# Altium PCB Mother_board06.PcbDoc (part 1 of 2)
Units mm, origin at the board's own origin, x right, y up, seen from the top; angles counter-clockwise.
Board outline 169 x 150.57 mm, 2 copper layers (Top Layer, Bottom Layer), stack 1.57 mm thick; 90 components, 81 nets, 394 pads, 249 vias.
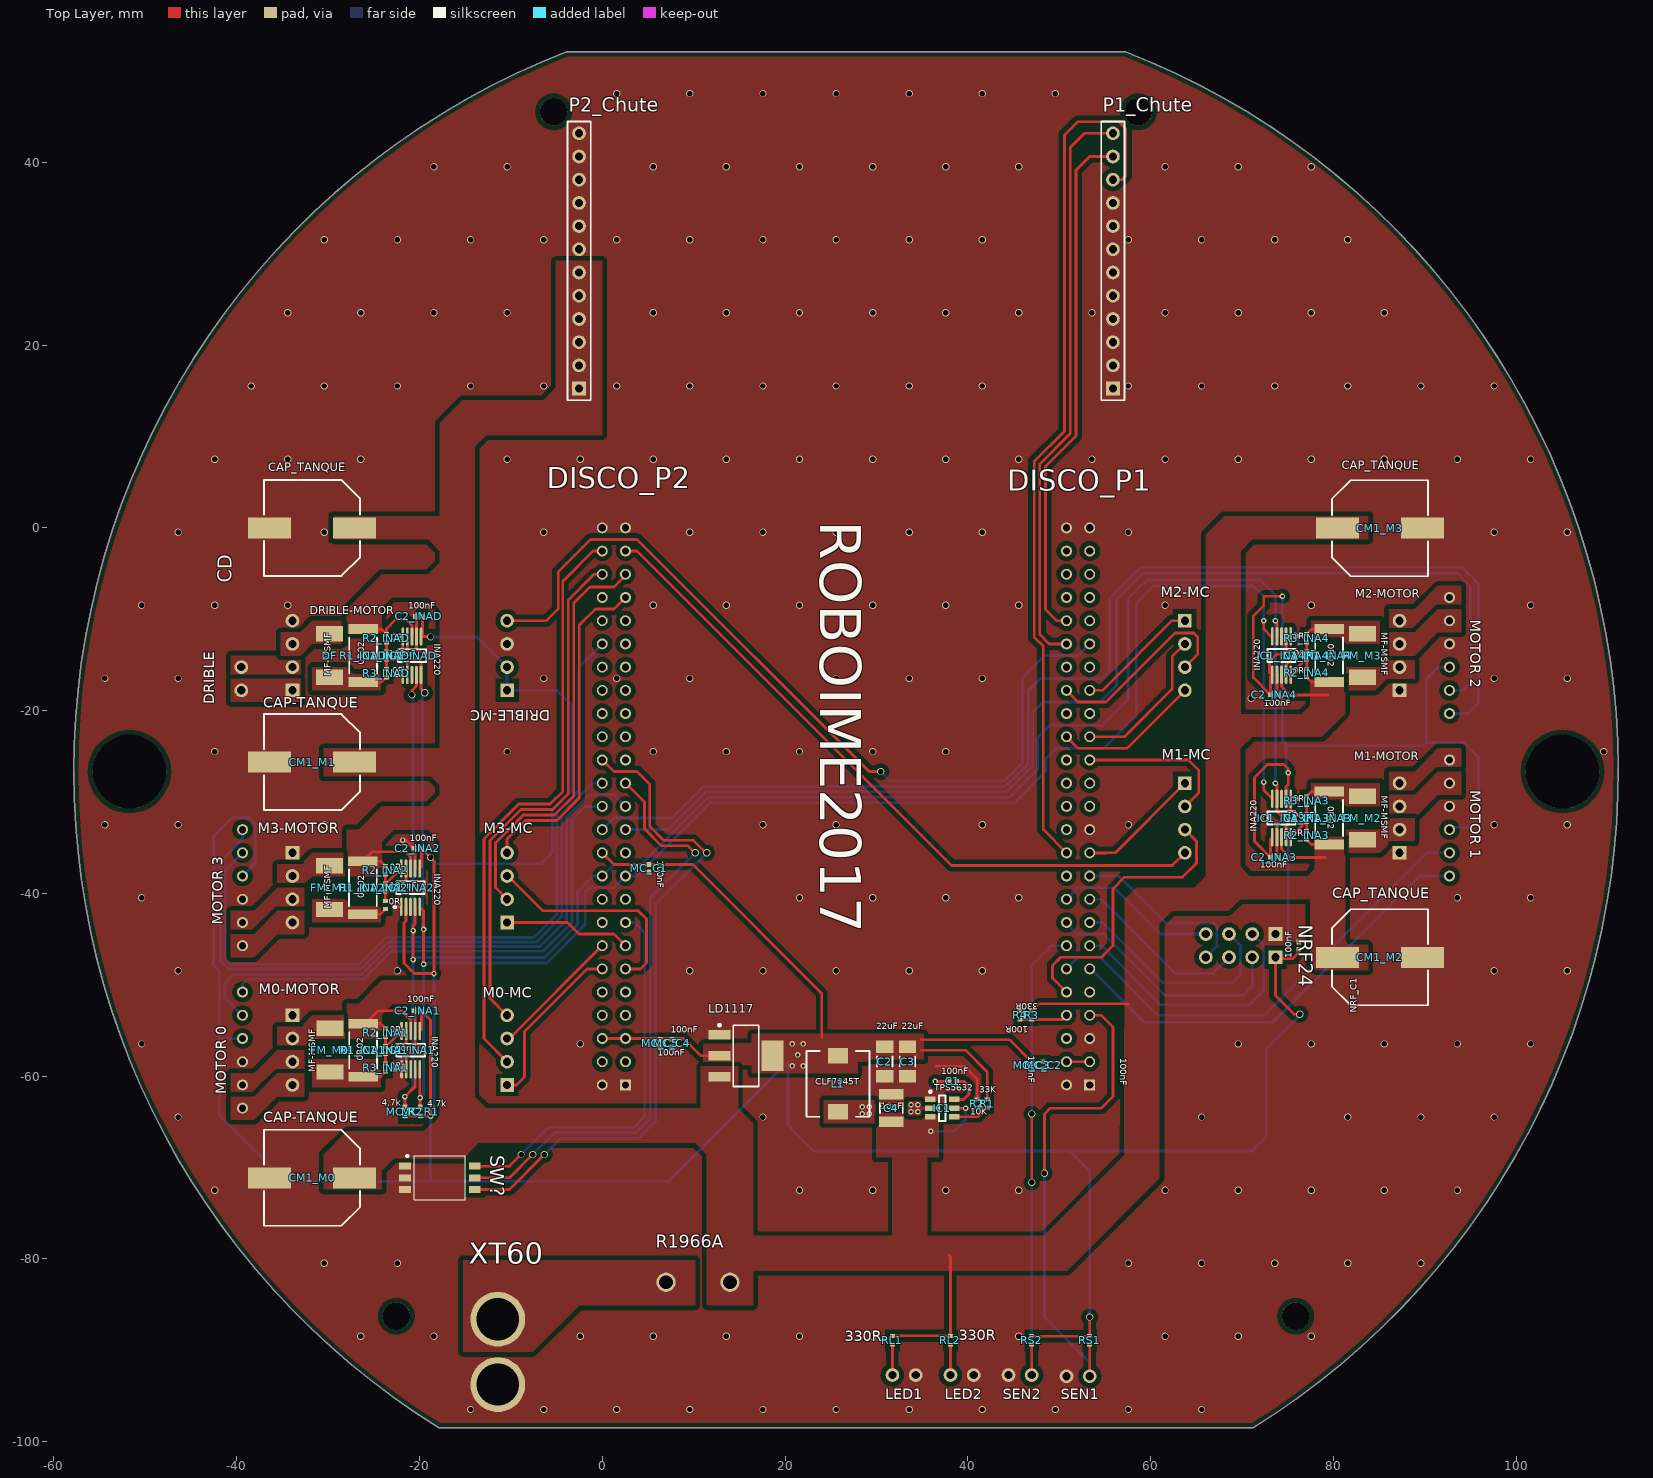
[diagram p0: Top Layer view]
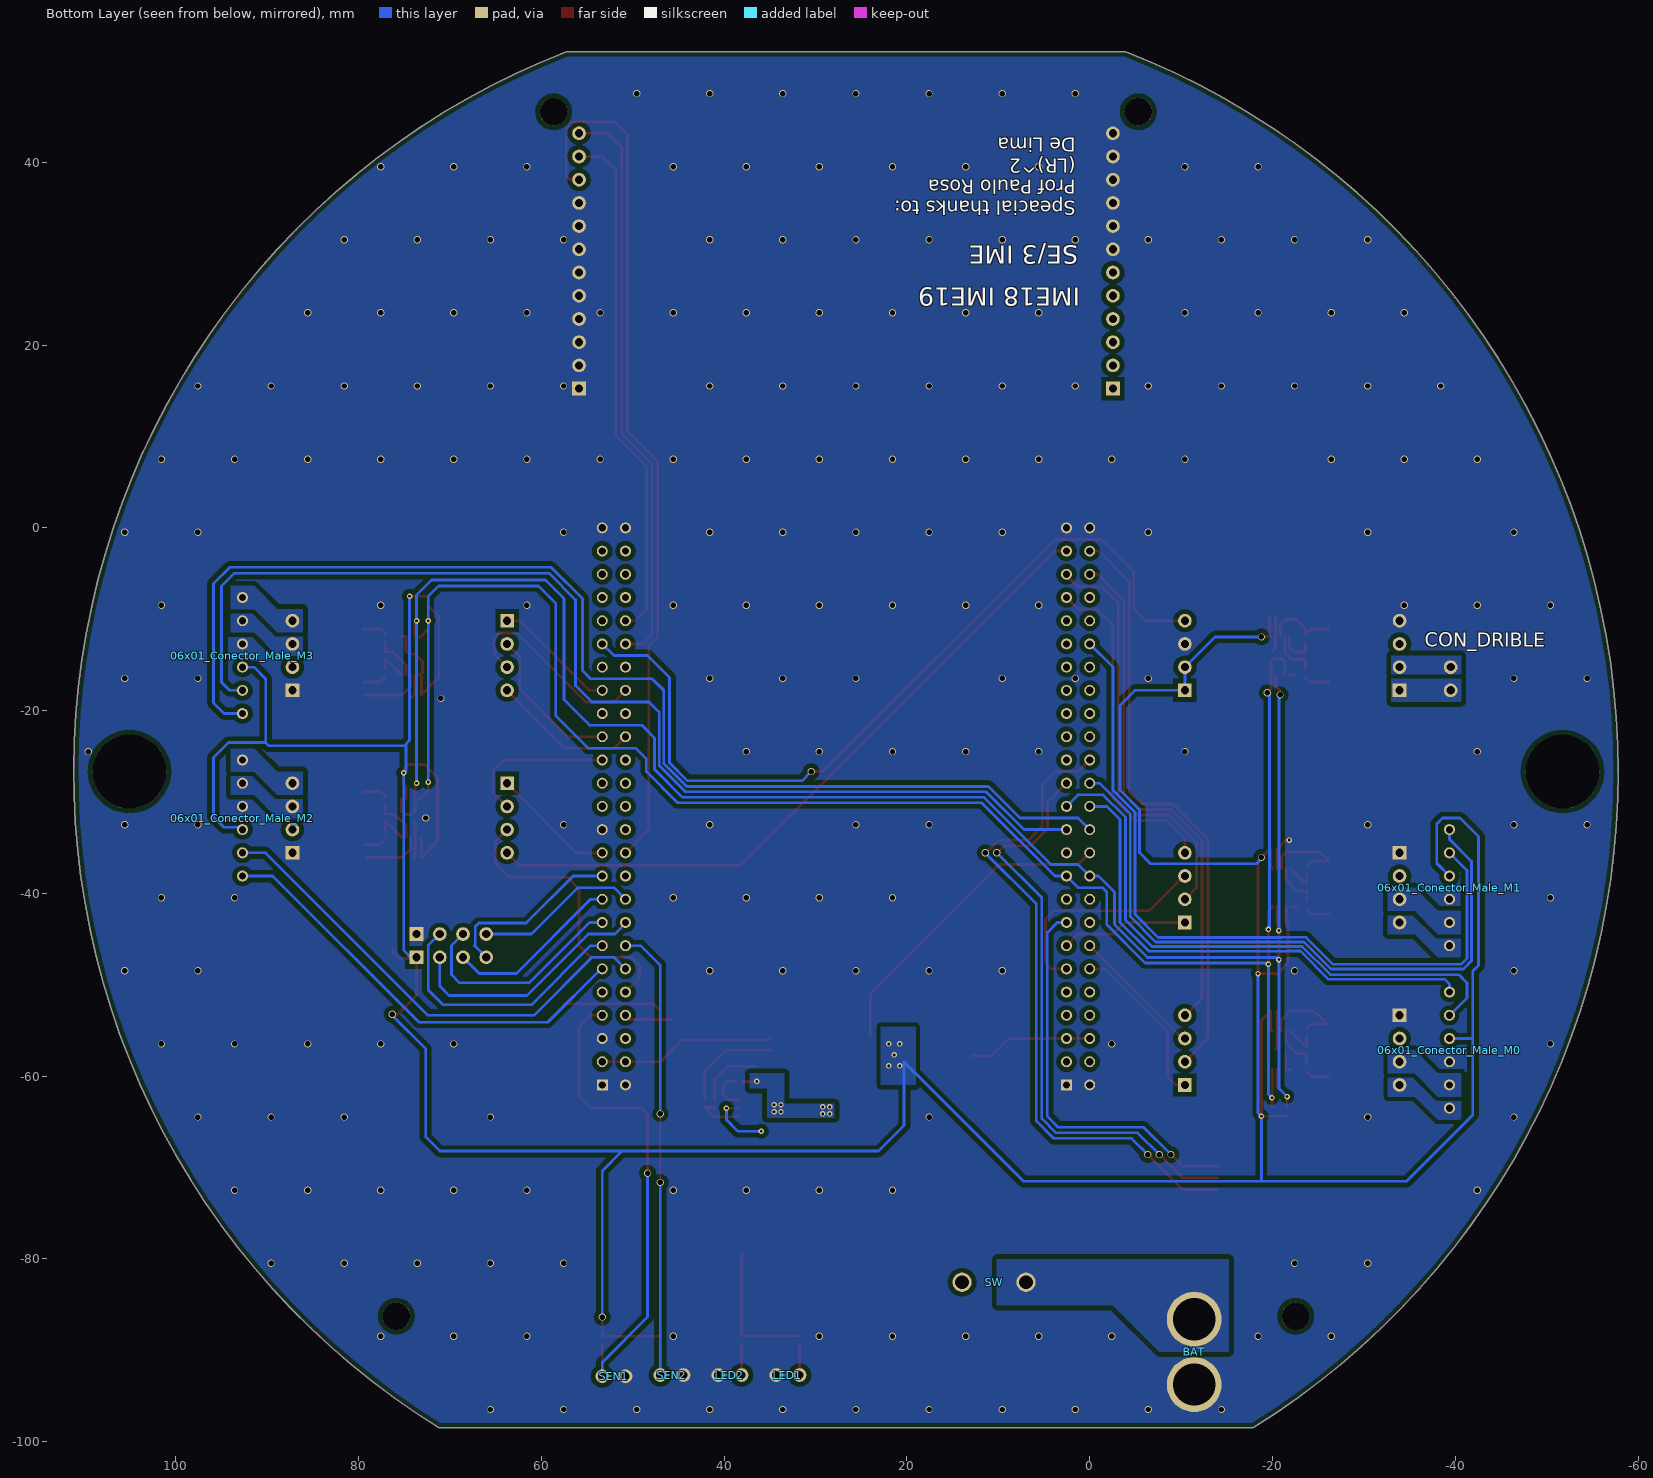
[diagram p1: Bottom Layer view, seen from below]
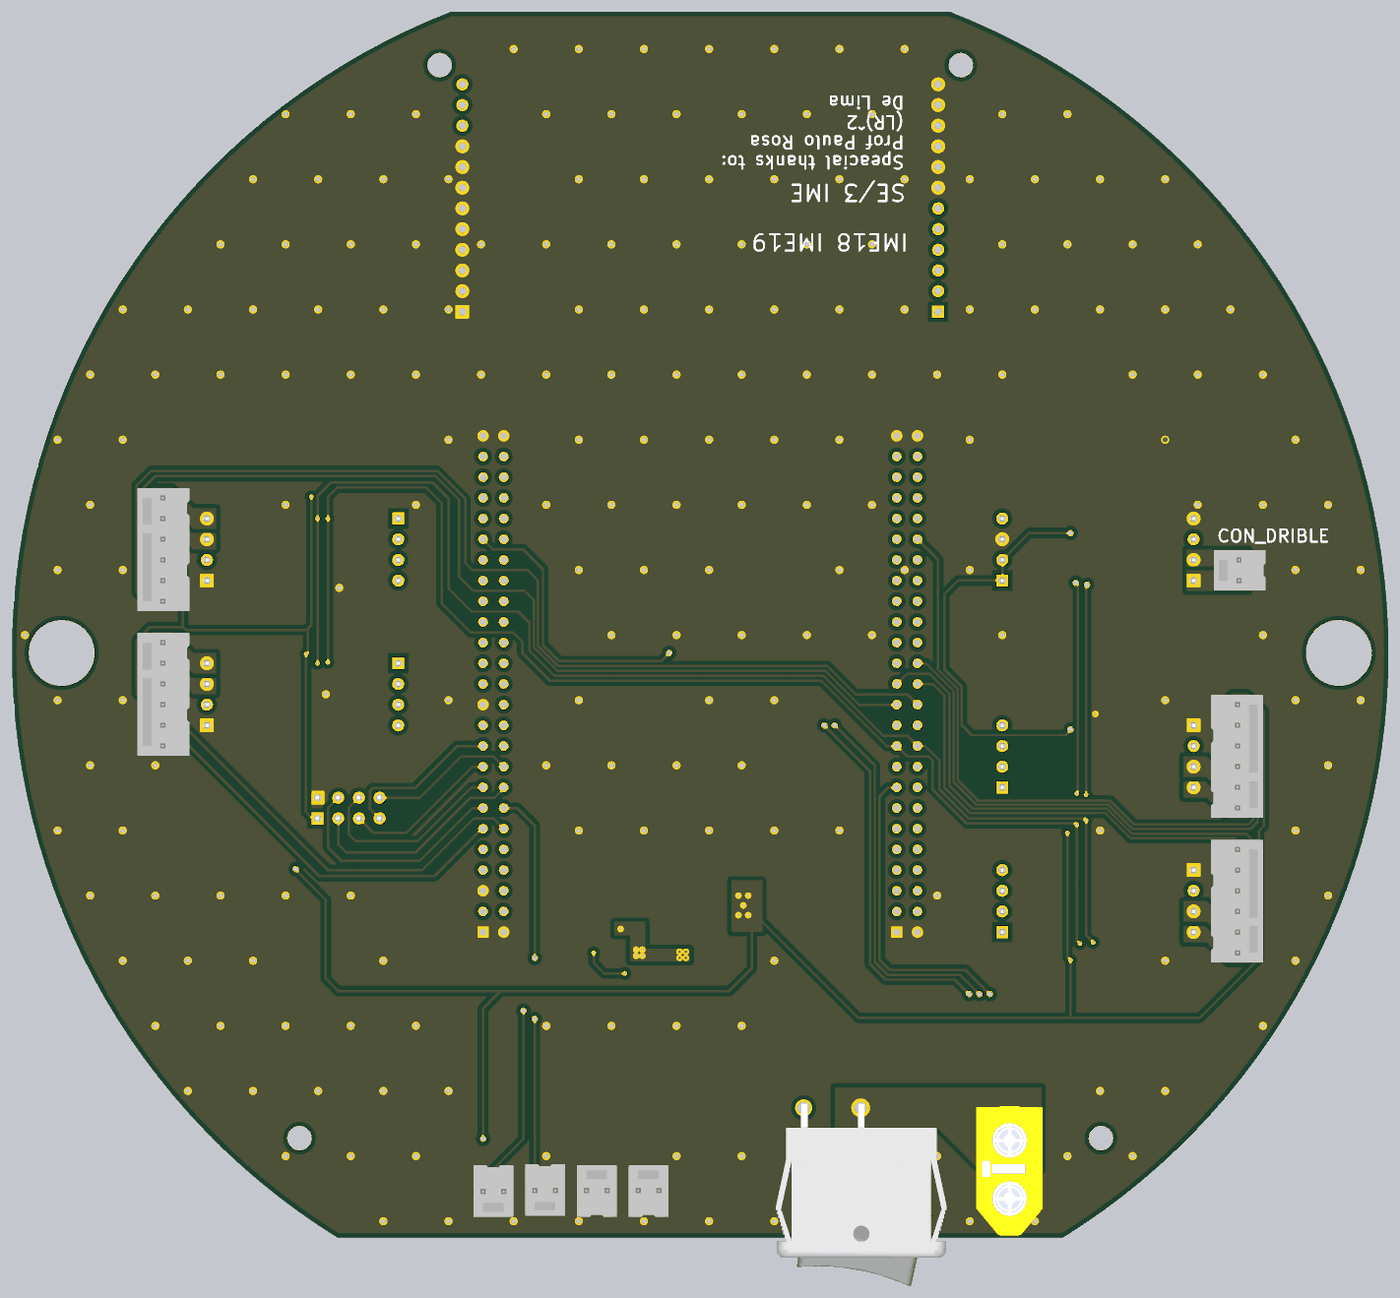
[diagram p3: 3D render of the assembled board from below, using the file's embedded part models]

## Layer stack, top to bottom
Top Solder: solder mask 0.01, Solder Resist, Dk 3.5
Top Layer: signal copper 0.035
Dielectric 1: dielectric 1.5, FR-4, Dk 4.8
Bottom Layer: signal copper 0.035
Bottom Solder: solder mask 0.01, Solder Resist, Dk 3.5

## Board outline
-3.933,52.094 -6.694,50.965 -9.413,49.739 -12.087,48.418 -14.713,47.003 -17.287,45.497 -19.807,43.9 -22.268,42.216 -24.669,40.446 -27.006,38.592 -29.276,36.657 -31.476,34.643 -33.604,32.553 -35.656,30.389 -37.631,28.153 -39.526,25.85 -41.338,23.481 -43.066,21.05 -44.707,18.559 -46.258,16.011 -47.719,13.411 -49.088,10.761 -50.361,8.064 -51.539,5.323 -52.62,2.543 -53.601,-0.274 -54.483,-3.123 -55.263,-6.002 -55.942,-8.906 -56.517,-11.833 -56.989,-14.778 -57.357,-17.738 -57.62,-20.709 -57.777,-23.688 -57.83,-26.67 -57.778,-29.629 -57.623,-32.584 -57.364,-35.531 -57.002,-38.468 -56.538,-41.39 -55.972,-44.295 -55.304,-47.178 -54.535,-50.035 -53.668,-52.864 -52.701,-55.661 -51.637,-58.422 -50.478,-61.144 -49.223,-63.824 -47.876,-66.459 -46.437,-69.045 -44.909,-71.578 -43.292,-74.057 -41.59,-76.477 -39.805,-78.837 -37.937,-81.132 -35.991,-83.361 -33.967,-85.52 -31.87,-87.607 -29.7,-89.619 -27.462,-91.555 -25.157,-93.41 -22.788,-95.184 -20.359,-96.873 -17.872,-98.477 71.212,-98.477 73.71,-96.866 76.149,-95.169 78.527,-93.387 80.841,-91.522 83.088,-89.577 85.265,-87.554 87.37,-85.456 89.399,-83.285 91.351,-81.044 93.223,-78.736 95.013,-76.364 96.718,-73.93 98.337,-71.437 99.867,-68.89 101.306,-66.29 102.653,-63.641 103.906,-60.946 105.064,-58.209 106.124,-55.433 107.086,-52.621 107.949,-49.777 108.711,-46.905 109.372,-44.007 109.931,-41.088 110.386,-38.152 110.738,-35.201 110.986,-32.239 111.13,-29.271 111.169,-26.299 111.104,-23.328 110.934,-20.361 110.66,-17.402 110.282,-14.455 109.801,-11.522 109.217,-8.608 108.531,-5.717 107.743,-2.851 106.856,-0.015 105.869,2.788 104.784,5.555 103.603,8.282 102.326,10.966 100.956,13.603 99.494,16.19 97.941,18.724 96.301,21.202 94.575,23.621 92.764,25.978 90.872,28.27 88.9,30.493 86.852,32.646 84.729,34.726 82.534,36.729 80.27,38.654 77.94,40.499 75.546,42.26 73.092,43.936 70.581,45.525 68.015,47.024 65.398,48.433 62.733,49.748 60.024,50.969 57.273,52.094

## Design rules (kind name [scope] priority, off if disabled: settings)
Clearance Clearance_1 [All] p1: gap=0.3 ignorepadtopadclearanceinfootprint=FALSE except(0: Arc-Hole Track-Hole SMDPad-Hole THPad-Hole Via-Hole Fill-Hole Poly-Hole Region-Hole Text-Hole; 0.2: Track-Track Track-SMDPad SMDPad-SMDPad; 0.5: Arc-Poly Track-Poly SMDPad-Poly THPad-Poly Via-Poly Fill-Poly Poly-Poly Poly-Region Poly-Text)
HoleSize [All] p1: absolutevalues=TRUE maxlimit=10 minlimit=0.025 maxpercent=80.000 minpercent=20.000
MinimumSolderMaskSliver [All] p1 off: minsoldermaskwidth=0.2
PlaneConnect [All] p1: planeconnectstyle=Direct reliefexpansion=0.508 reliefentries=4 reliefconductorwidth=0.254 reliefairgap=0.254
PolygonConnect "Schematic Polygon Connect Style_3" [InComponent('C3')] p1: connectstyle=Direct reliefconductorwidth=0.254 reliefentries=4 polygonreliefangle="45 Angle" airgapwidth=0.254
PolygonConnect PolygonConnect_3 [InNet('GND')] p2: connectstyle=Direct reliefconductorwidth=0.254 reliefentries=4 polygonreliefangle="90 Angle" airgapwidth=0.254
PolygonConnect PolygonConnect_1 [InNetClass('DIRECT')] p3: connectstyle=Direct reliefconductorwidth=0.508 reliefentries=4 polygonreliefangle="90 Angle" airgapwidth=0.254
PolygonConnect PolygonConnect_2 [IsVia] p4: connectstyle=Direct reliefconductorwidth=0.254 reliefentries=4 polygonreliefangle="90 Angle" airgapwidth=0.254
PolygonConnect "Schematic Polygon Connect Style_1" [InComponent('C2')] p5: connectstyle=Direct reliefconductorwidth=0.254 reliefentries=4 polygonreliefangle="45 Angle" airgapwidth=0.254
PolygonConnect "Schematic Polygon Connect Style_2" [InComponent('L1')] p6: connectstyle=Direct reliefconductorwidth=0.254 reliefentries=4 polygonreliefangle="45 Angle" airgapwidth=0.254
PolygonConnect [All] p7: connectstyle=Direct reliefconductorwidth=0.3 reliefentries=4 polygonreliefangle="90 Angle" airgapwidth=0.254
RoutingVias [All] p1: holewidth=0.7 width=1 viastyle="Through Hole" minholewidth=0.5 minwidth=0.7 maxholewidth=6 maxwidth=6
SilkToSilkClearance [All] p1 off: silktosilkclearance=0.254
SilkToSolderMaskClearance [IsPad] p1 off: minsilkscreentomaskgap=0.254 clearancetoexposedcopper=TRUE
SolderMaskExpansion [All] p1: expansion=0.102
Width [All] p1: maxlimit=1.016 minlimit=0.254 preferedwidth=0.3
25 further rules are at their usual default settings.

## Classes and differential pairs
channel class INA220: INA1 INA2 INA3 INA4
component class INA2: 0R C1_INA2 C2_INA2 IC1_INA2 R1_INA2 R2_INA2 R3_INA2
component class INA3: C1_INA3 C2_INA3 IC1_INA3 R1_INA3 R2_INA3 R3_INA3
component class INA4: C1_INA4 C2_INA4 IC1_INA4 R1_INA4 R2_INA4 R3_INA4
component class INA1: C1_INA1 C2_INA1 IC1_INA1 R1_INA1 R2_INA1 R3_INA1
component class POWER: BAT C1 C2 C3 C4 IC1 IC? L1 LD1117 R1 R2 R3 R4 SW
net class DIRECT: DA DB MA_M0 MA_M1 MA_M2 MA_M3 MB_M0 MB_M1 MB_M2 MB_M3 NetC1_2 NetC1_M0_2 NetC1_M1_2 NetC1_M2_2 NetC1_M3_2 NetCON_DM_1 NetDF_2 NetFM_M0_2 NetFM_M1_2 NetFM_M2_2 NetFM_M3_2 "V+ BAT_INA1"
component class M0: 06x01_Conector_Male_M0 C1_M0 C3_M0 CM1_M0 FM_M0 M0-MC M0-MOTOR
component class M1: 06x01_Conector_Male_M1 C1_M1 C3_M1 CM1_M1 FM_M1 M3-MC M3-MOTOR
component class M2: 06x01_Conector_Male_M2 C1_M2 C3_M2 CM1_M2 FM_M2 M1-MC M1-MOTOR
component class M3: 06x01_Conector_Male_M3 C1_M3 C3_M3 CM1_M3 FM_M3 M2-MC M2-MOTOR M3-MOTOR
component class Mother_board1: CD CON_DM CON_DMc CON_DRIBLE DF DISCO_P1 DISCO_P2 DRIBLE-MC DRIBLE-MOTOR LED1 LED2 MC_C1 MC_C2 MC_C3 MC_C4 MC_C5 MC_R1 MC_R2 NRF24 NRF_C1 P1_Chute P2_Chute RL1 RL2 RS1 RS2 SEN1 SEN2 SENSOR1 SENSOR2 SW?
channel class MOTORES: M0 M1 M2 M3
component class INAD: C1_INAD C2_INAD IC1_INAD R1_INAD R2_INAD R3_INAD

## Components (designator, comment, footprint, x,y, rotation, side; value= is the part's Value field where it differs from the comment)
0R "0R" 0402-RES-HD -23.742,-41.274 r270 top (schematic designator R3)
06x01_Conector_Male_M0 "MOTOR 0" 06x01_Conector_Male -39.497,-57.15 r90 bottom (schematic designator 06x01_Conector_Male)
06x01_Conector_Male_M1 "MOTOR 3" 06x01_Conector_Male -39.497,-39.37 r90 bottom (schematic designator 06x01_Conector_Male)
06x01_Conector_Male_M2 "MOTOR 1" 06x01_Conector_Male 92.837,-31.75 r270 bottom (schematic designator 06x01_Conector_Male)
06x01_Conector_Male_M3 "MOTOR 2" 06x01_Conector_Male 92.837,-13.97 r270 bottom (schematic designator 06x01_Conector_Male)
BAT "XT60" BATTERY_CONECTO-PCB -11.43,-90.17 r270 bottom
C1 "100nF" 0402-CAP 38.354,-60.579 r180 top
C1_INA1 "100nF" 0402-CAP -23.717,-57.15 r270 top (schematic designator C1)
C1_INA2 "100nF" 0402-CAP -23.742,-39.37 r270 top (schematic designator C1)
C1_INA3 "100nF" 0402-CAP 77.082,-31.75 r90 top (schematic designator C1)
C1_INA4 "100nF" 0402-CAP 77.082,-13.97 r90 top (schematic designator C1)
C1_INAD "100nF" 0402-CAP -23.622,-13.99 r270 top (schematic designator C1)
C2 "22uF" 1206-CAP 30.897,-58.396 r90 top
C2_INA1 "100nF" 0402-CAP -20.193,-52.846 r180 top (schematic designator C2)
C2_INA2 "100nF" 0402-CAP -20.193,-35.066 r180 top (schematic designator C2)
C2_INA3 "100nF" 0402-CAP 73.533,-36.054 r0 top (schematic designator C2)
C2_INA4 "100nF" 0402-CAP 73.533,-18.274 r0 top (schematic designator C2)
C2_INAD "100nF" 0402-CAP -20.066,-9.687 r180 top (schematic designator C2)
C3 "22uF" 1206-CAP 33.401,-58.396 r90 top
C4 "10uF" 1210-CAP 31.623,-63.5 r270 top
CD "CAP_TANQUE" EEE-FK1C681GP -31.75,0 r180 top
CM1_M0 "CAP-TANQUE" EEE-FK1C681GP -31.75,-71.12 r180 top (schematic designator CM1)
CM1_M1 "CAP-TANQUE" EEE-FK1C681GP -31.75,-25.633 r180 top (schematic designator CM1)
CM1_M2 "CAP_TANQUE" EEE-FK1C681GP 85.09,-46.99 r0 top (schematic designator CM1)
CM1_M3 "CAP_TANQUE" EEE-FK1C681GP 85.09,-0.04 r0 top (schematic designator CM1)
CON_DRIBLE "DRIBLE" 02x01_Conector_Male -39.497,-16.51 r90 bottom
DF "MF-MSMF" RESC4632X16N -29.845,-13.97 r270 top
DISCO_P1 "SFH11-PBPC-D25-ST-BK" 25x02_Conector_Female 52.07,-30.48 r90 top
DISCO_P2 "SFH11-PBPC-D25-ST-BK" 25x02_Conector_Female 1.27,-30.48 r90 top
DRIBLE-MC "PPPC041LFBN-RC" "04x01_Conector_Female - duplicate" -10.414,-13.97 r270 top (schematic designator CON_DMc)
DRIBLE-MOTOR "PPPC041LFBN-RC" "04x01_Conector_Female - duplicate" -33.909,-13.97 r270 top (schematic designator CON_DM)
FM_M0 "MF-MSMF" RESC4632X16N -29.82,-57.15 r270 top (schematic designator FM)
FM_M1 "MF-MSMF" RESC4632X16N -29.845,-39.37 r270 top (schematic designator FM)
FM_M2 "MF-MSMF" RESC4632X16N 83.185,-31.75 r90 top (schematic designator FM)
FM_M3 "MF-MSMF" RESC4632X16N 83.185,-13.97 r90 top (schematic designator FM)
IC1 "TPS5632" SOT95P280X110-6N 37.211,-63.5 r0 top
IC1_INA1 "INA220" TSSOP10 -20.963,-57.15 r90 top (schematic designator IC1)
IC1_INA2 "INA220" TSSOP10 -20.987,-39.37 r90 top (schematic designator IC1)
IC1_INA3 "INA220" TSSOP10 74.327,-31.75 r270 top (schematic designator IC1)
IC1_INA4 "INA220" TSSOP10 74.327,-13.97 r270 top (schematic designator IC1)
IC1_INAD "INA220" TSSOP10 -20.828,-13.991 r90 top (schematic designator IC1)
L1 "CLF7045T" CLF7045T 25.781,-60.835 r180 top
LD1117 "LD1117S33CTR" SOT-223_N 15.727,-57.771 r0 top (schematic designator IC?)
LED1 "0022112022" 02x01_Conector_Male 33.02,-92.71 r180 bottom
LED2 "0022112022" 02x01_Conector_Male 39.37,-92.71 r180 bottom
M0-MC "PPPC041LFBN-RC" 04x01_Conector_Female -10.414,-57.15 r270 top (schematic designator C3)
M0-MOTOR "PPPC041LFBN-RC" 04x01_Conector_Female -33.909,-57.15 r90 top (schematic designator C1)
M1-MC "PPPC041LFBN-RC" 04x01_Conector_Female 63.754,-31.75 r90 top (schematic designator C3)
M1-MOTOR "PPPC041LFBN-RC" 04x01_Conector_Female 87.249,-31.75 r270 top (schematic designator C1)
M2-MC "PPPC041LFBN-RC" 04x01_Conector_Female 63.754,-13.97 r90 top (schematic designator C3)
M2-MOTOR "PPPC041LFBN-RC" 04x01_Conector_Female 87.249,-13.97 r270 top (schematic designator C1)
M3-MC "PPPC041LFBN-RC" 04x01_Conector_Female -10.414,-39.37 r270 top (schematic designator C3)
M3-MOTOR "PPPC041LFBN-RC" 04x01_Conector_Female -33.909,-39.37 r90 top (schematic designator C1)
MC_C1 "100nF" 0402-CAP 5.08,-37.23 r90 top
MC_C2 "100nF" 0402-CAP 48.26,-58.82 r90 top
MC_C3 "100nF" 0402-CAP 46.99,-58.82 r270 top
MC_C4 "100nF" 0402-CAP 7.62,-56.38 r90 top
MC_C5 "100nF" 0402-CAP 6.35,-56.38 r90 top
MC_R1 "4,7k" 0402 -19.939,-63.881 r270 top
MC_R2 "4,7k" 0402 -21.59,-63.881 r270 top
NRF24 "PPPC042LFBN-RC" 04x02_Conector_Female 69.85,-45.72 r0 top (schematic designator 04x02_Conector_Female)
NRF_C1 "100nF" 0402-CAP 76.2,-45.72 r90 top
P1_Chute "Header 12" HDR1X12 55.88,15.24 r90 top
P2_Chute "Header 12" HDR1X12 -2.54,15.24 r90 top
R1 "33K" 0402-RES-HD 42.125,-62.992 r90 top
R1_INA1 "0R02" 2512-RES-HD -26.171,-57.15 r90 top (schematic designator R1)
R1_INA2 "0R02" 2512-RES-HD -26.196,-39.37 r90 top (schematic designator R1)
R1_INA3 "0R02" 2512-RES-HD 79.536,-31.75 r270 top (schematic designator R1)
R1_INA4 "0R02" 2512-RES-HD 79.536,-13.97 r270 top (schematic designator R1)
R1_INAD "0R02" 2512-RES-HD -26.162,-13.97 r90 top (schematic designator R1)
R2 "10K" 0402-RES-HD 41.021,-62.992 r270 top
R2_INA1 "0R" 0402-RES-HD -23.717,-55.246 r90 top (schematic designator R2)
R2_INA2 "0R" 0402-RES-HD -23.742,-37.466 r90 top (schematic designator R2)
R2_INA3 "0R" 0402-RES-HD 77.082,-33.655 r270 top (schematic designator R2)
R2_INA4 "0R" 0402-RES-HD 77.082,-15.875 r270 top (schematic designator R2)
R2_INAD "0R" 0402-RES-HD -23.622,-12.086 r90 top (schematic designator R2)
R3 "330R" 0402-RES-HD 46.99,-53.34 r90 top
R3_INA1 "0R" 0402-RES-HD -23.717,-59.054 r270 top (schematic designator R3)
R3_INA3 "0R" 0402-RES-HD 77.082,-29.845 r90 top (schematic designator R3)
R3_INA4 "0R" 0402-RES-HD 77.082,-12.066 r90 top (schematic designator R3)
R3_INAD "0R" 0402-RES-HD -23.622,-15.895 r270 top (schematic designator R3)
R4 "100R" 0402-RES-HD 45.72,-53.34 r270 top
RL1 "330R" 0402-RES-HD 31.75,-88.9 r270 top
RL2 "330R" 0402-RES-HD 38.1,-88.9 r270 top
RS1 "330R" 0402-RES-HD 53.34,-88.9 r90 top
RS2 "330R" 0402-RES-HD 46.99,-88.9 r90 top
SEN1 "0022112022" 02x01_Conector_Male 52.07,-92.837 r0 bottom (schematic designator SENSOR1)
SEN2 "0022112022" 02x01_Conector_Male 45.72,-92.71 r0 bottom (schematic designator SENSOR2)
SW "R1966A" R1966AB-PCB 7.087,-93.091 r90 bottom
SW? "416131160803" 416131160803 -17.78,-71.12 r270 top

## Footprints (in the part's own frame and the unit in brackets; to place one, negate y for a bottom-side part, rotate by r counter-clockwise, add the part's x,y. Pads: shape width x height; smd on the part's side, far side on the other; paste and mask are expansions set on the pad)
02x01_Conector_Male [mm] "0022112022"
  round 1.5 hole 0.9: 1(-1.27,0) 2(1.27,0)
  body extent -2.46,-3.25 2.46,3.1, height 3.14
04x01_Conector_Female [mm] "PPPC041LFBN-RC"
  round 1.5 hole 0.9: 0(-3.81,0) 1(-1.27,0) 2(1.27,0)
  rect 1.5x1.5 hole 0.9: 3(3.81,0)
  body extent -5.33,-1.27 5.33,1.27, height 8.5
"04x01_Conector_Female - duplicate" [mm] "PPPC041LFBN-RC"
  round 1.5 hole 0.9: 0(-3.81,0) 1(-1.27,0) 2(1.27,0)
  rect 1.5x1.5 hole 0.9: 3(3.81,0)
  body extent -5.33,-1.27 5.33,1.27, height 8.5
04x02_Conector_Female [mm] "PPPC042LFBN-RC"
  round 1.5 hole 0.9: 0(-3.81,1.27) 1(-1.27,1.27) 2(1.27,1.27) 4(-3.81,-1.27) 5(-1.27,-1.27) 6(1.27,-1.27)
  rect 1.5x1.5 hole 0.9: 3(3.81,1.27) 7(3.81,-1.27)
  body extent -5.3,-2.55 5.36,2.53, height 8.52
06x01_Conector_Male [mil] "0022112062"
  round 47.25 hole 31.5: 1(250,5) 2(150,5) 3(50,5) 4(-50,5) 5(-150,5) 6(-250,5)
  body extent -297,-115 297,135, height 124
25x02_Conector_Female [mil] "SFH11-PBPC-D25-ST-BK"
  rect 47.25x47.25 hole 31.5: 1(-1200,-50)
  round 47.25 hole 31.5: 2(-1200,50) 3(-1100,-50) 4(-1100,50) 5(-1000,-50) 6(-1000,50) 7(-900,-50) 8(-900,50) 9(-800,-50) 10(-800,50) 11(-700,-50) 12(-700,50) 13(-600,-50) 14(-600,50) 15(-500,-50) 16(-500,50) 17(-400,-50) 18(-400,50) 19(-300,-50) 20(-300,50) 21(-200,-50) 22(-200,50) 23(-100,-50) 24(-100,50) 25(0,-50) 26(0,50) 27(100,-50) 28(100,50) 29(200,-50) 30(200,50) 31(300,-50) 32(300,50) 33(400,-50) 34(400,50) 35(500,-50) 36(500,50) 37(600,-50) 38(600,50) 39(700,-50) 40(700,50) 41(800,-50) 42(800,50) 43(900,-50) 44(900,50) 45(1000,-50) 46(1000,50) 47(1100,-50) 48(1100,50) 49(1200,-50) 50(1200,50)
  body extent -1350,-121 1350,115, height 333
0402 [mm] "Chip Capacitor, Body 1.0x0.5mm, IPC High Density"
  rect 0.6x0.5 smd: 1(-0.5,0) 2(0.5,0)
  body extent -0.55,-0.3 0.55,0.3, height 1.3
0402-CAP [mm] "Chip Capacitor, Body 1.0x0.5mm, Height 0.6mm, IPC Medium Density"
  rect 0.52x0.52 smd: 1(-0.4,0) 2(0.4,0)
  body extent -0.55,-0.3 0.55,0.3, height 0.33
0402-RES-HD [mm] "Chip Resistor, Body 1.0x0.5mm, IPC High Density"
  rect 0.45x0.55 smd: 1(-0.45,0) 2(0.45,0)
  body extent -0.52,-0.27 0.53,0.28, height 0.4
1206-CAP [mm] "Chip Capacitor, Body 3.2x1.6mm, Height 1.7mm, IPC Low Density"
  rect 1.35x1.9 smd: 1(-1.6,0) 2(1.6,0)
  silkscreen extent -0.55,-0.85 0.55,0.85, body extent -1.7,-0.9 1.7,0.9, height 1.7
1210-CAP [mm]
  rect 1.15x2.7 smd: 1(-1.5,0) 2(1.5,0)
  silkscreen extent -0.55,-1.25 0.55,1.25, body extent -1.7,-1.4 1.7,1.4, height 2.8
2512-RES-HD [mm] "Chip Resistor, Body 6.4x3.2mm, IPC High Density"
  rect 1.05x3.25 smd: 1(-2.9,0) 2(2.9,0)
  silkscreen extent -2,-1.52 2,1.53, body extent -3.25,-1.7 3.25,1.7, height 0.75
416131160803 [mm] "03p, 1.27mm Pitch, Horizontal, HP Type, SMT, flat Actuator, black, with Tape, T&R"
  rect 0.76x1.27 smd: 1(-1.27,-3.81) 2(0,-3.81) 3(1.27,-3.81) 4(1.27,3.81) 5(0,3.81) 6(-1.27,3.81)
  silkscreen extent -2.47,-3.66 2.42,2.8, body extent -2.42,-4 2.43,4, height 2.06
BATTERY_CONECTO-PCB [mm]
  round 6 hole 4.62: 0(-3.58,0) 1(3.58,0)
  body extent -7.82,-4.19 8.08,3.96, height 16.4
CLF7045T [mm]
  rect 2.2x1.7 smd: 1(0,3.05) 2(0,-3.05)
  silkscreen extent -3.45,-3.6 3.45,3.6, body extent -3.5,-3.6 3.5,3.6, height 4.51
EEE-FK1C681GP [mm] "Aluminum Electrolytic Capacitor, Body 10,30x10,30x10,50mm, IPC Low Density"
  rect 4.7x2.3 smd: 1(-4.65,0) 2(4.65,0)
  silkscreen extent -5.25,-5.25 5.25,5.25, body extent -5.65,-5.21 5.65,5.09, height 10.41
HDR1X12 [mm] "Connector; Header; 12 Position"
  rect 1.5x1.5 hole 0.9: 1(0,0)
  round 1.5 hole 0.9: 2(2.54,0) 3(5.08,0) 4(7.62,0) 5(10.16,0) 6(12.7,0) 7(15.24,0) 8(17.78,0) 9(20.32,0) 10(22.86,0) 11(25.4,0) 12(27.94,0)
  silkscreen extent -1.27,-1.27 29.21,1.27
R1966AB-PCB [mm] "SWITCH ROCKER SPST 15A 125V"
  round 2.1 hole 1.5: 0(10.541,-0.117)
  round 2.1 hole 1.5 paste+0: 1(10.541,6.883)
  body extent -11.38,-10.67 11.12,10.28, height 15.6
RESC4632X16N [mm] "Chip Resistor, 2-Leads, Body 4,60x3,24mm, IPC Medium Density"
  rect 1.68x2.95 smd: 1(-2.39,0) 2(2.39,0)
  body extent -2.3,-1.62 2.3,1.62, height 1.15
SOT95P280X110-6N [mm] "SOT23, 6-Leads, Body 2,90x2,80mm, Pitch 0,95mm, IPC Medium Density"
  rect 1.15x0.6 smd: 1(-1.3,0.95) 2(-1.3,0) 3(-1.3,-0.95) 4(1.3,-0.95) 5(1.3,0) 6(1.3,0.95)
  silkscreen extent -1.42,-1.4 0.35,1.92, body extent -0.72,-1.37 0.72,1.38, height 1.1
SOT-223_N [mm] "SOT223, 4-Leads, Body 6.5x3.5mm, Pitch 2.3mm, Lead Span 7mm, IPC Medium Density"
  rect 2.4x1 smd: 1(-2.9,2.3) 2(-2.9,0) 3(-2.9,-2.3)
  rect 2.4x3.3 smd: 4(2.9,0)
  silkscreen extent -3.02,-3.35 1.4,3.47, body extent -1.85,-3.35 1.85,3.35, height 1.8
TSSOP10 [mm] "TSSOP, 10-Leads, Body 3x3mm, Pitch 0.5mm, IPC Low Density"
  oval 2x0.3 smd: 1(-2.1,1) 2(-2.1,0.5) 3(-2.1,0) 4(-2.1,-0.5) 5(-2.1,-1) 6(2.1,-1) 7(2.1,-0.5) 8(2.1,0) 9(2.1,0.5) 10(2.1,1)
  silkscreen extent -2.22,-1.55 0.7,1.82, body extent -1.55,-1.55 1.55,1.55, height 1.1

## Part data
0R R2_INA1 R2_INA2 R2_INA3 R2_INA4 R2_INAD R3_INA1 R3_INA3 R3_INA4 R3_INAD: library part R0402-0R-7, "RES 0.0 OHM 1/16W JUMP 0402 SMD"
06x01_Conector_Male_M0 06x01_Conector_Male_M1 06x01_Conector_Male_M2 06x01_Conector_Male_M3: library part 06x01_Conector_Male, "CONN HEADER 6POS .100 VERT GOLD"
BAT: library part BATTERY_CONNECTOR, "XT60 PRT-10474"
C1: library part CC0402-100nF-50v-A.3, "CAP CER 0.1UF 50V 10% X7R 0402"
C1_INA1 C1_INA2 C1_INA3 C1_INA4 C1_INAD C2_INA1 C2_INA2 C2_INA3 C2_INA4 C2_INAD MC_C1 MC_C2 MC_C3 MC_C4 MC_C5 NRF_C1: library part CC0402-100nF-A.12, "CAP CER 0.1UF 10V 20% X5R 0402"
C2 C3: library part CC1206-22uF-6.3V-1, "CAP CER 22UF 6.3V 20% X5R 1206"
C4: library part CC1210-10uF-6, "CAP CER 10UF 50V 20% X5R 1210"
CD CM1_M0 CM1_M1 CM1_M2 CM1_M3: library part "CAP AL 680UF/16V", "Aluminum Electrolytic Capacitors - SMD Al Lytic Cap SMT FK Series 105C"
CON_DRIBLE LED1 LED2 SEN1 SEN2: library part 02x01_Conector_Male, "CONN HEADER 2POS .100 VERT GOLD"
DF FM_M0 FM_M1 FM_M2 FM_M3: library part MF-MSMF250/16X-01.A.1, "PTC RESETTABLE .30A 30V 1812"
DISCO_P1 DISCO_P2: library part 25x02_Conector_Female, "50 Position Header Connector 0.100\" (2.54mm) Through Hole Gold"
DRIBLE-MC DRIBLE-MOTOR M0-MC M0-MOTOR M1-MC M1-MOTOR M2-MC M2-MOTOR M3-MC M3-MOTOR: library part 04x01_Conector_Female-SCH, "4 Position Header Connector 0.100\" (2.54mm) Through Hole Gold"
IC1: library part TPS563200DDCT-01.A.2, "IC REG BUCK ADJ 3A SYNC 6SOT"
IC1_INA1 IC1_INA2 IC1_INA3 IC1_INA4 IC1_INAD: library part INA220BIDGST-3, "IC MONITOR PWR/CURR BIDIR 10MSOP"
L1: library part CLF7045T-4R7N-H-2, "FIXED IND 4.7UH 4.1A 20 MOHM SMD"
LD1117: library part CMP-0244-00307-1, "Fixed Low Drop Positive Voltage Regulator, 3.3V, 4-Pin SOT-223, Tape and Reel"
MC_R1 MC_R2: library part Res1, "Resistor"
NRF24: library part 04x02_Conector_Female, "8 Position Header Connector 0.100\" (2.54mm) Through Hole Gold"
P1_Chute P2_Chute: "Header, 12-Pin"
R1: library part R0402-33K-7, "RES 33K OHM 1/10W 1% 0402 SMD"
R1_INA1 R1_INA2 R1_INA3 R1_INA4 R1_INAD: library part R2512-0R02-4, "RES .02 OHM 2W 1% 2512 SMD"
R2: library part R0402-10K-10, "RES 10K OHM 1/10W 1% 0402 SMD"
R3: library part R0402-10K-10, "RES 330R OHM 1/10W 1% 0402 SMD"
R4: library part R0402-33K-7, "RES 100R OHM 1/10W 1% 0402 SMD"
RL1 RL2 RS1 RS2: library part R0402-330R-7, "RES 330 OHM 1/10W 1% 0402 SMD"
SW: library part "Rocker Switch", "SWITCH ROCKER SPST 15A 125V"
SW?: library part CMP-1433-00003-1, "WS-DISV 1.27 mm small compact SMD Dip Switch with top tape"

## Free pads (board coordinates)
  round 8.083 hole 8.083: 1(-51.738,-26.67) 1(105.078,-26.67)
  round 3 hole 3: 1(-22.532,-86.268) 1(-5.33,45.529) 1(58.67,45.529) 1(75.872,-86.268)

## Via types
v1: diameter 0.8, hole 0.6, Top Layer to Bottom Layer, 218 vias
v2: diameter 0.6, hole 0.3, Top Layer to Bottom Layer, 31 vias

## Nets (pads, with @x,y where several pads share a name; then routed paths per layer and width w, separated by ;. In a path a pad name is that pad's centre, name@x,y a point inside that pad or via, vN(x,y) a via of type N, cw(c..) or ccw(c..) an arc to the next point about the centre after c; other vN are vias at no path point)
BAT_REF: DISCO_P1.8 R3.1 R4.2 | length 5.3
  Top Layer w0.3: R4.2@45.72,-53.79 R3.1@46.99,-53.79 50.35,-53.79 DISCO_P1.8@50.8,-53.34
CA: DISCO_P1.40 P1_Chute.12 | length 63.4
  Top Layer w0.3: DISCO_P1.40@50.8,-12.7 48.895,-12.7 47.879,-11.684 47.879,6.985 51.211,10.317 51.211,41.636 52.755,43.18 P1_Chute.12@55.88,43.18
CB: DISCO_P1.42 P1_Chute.11 | length 56.9
  Top Layer w0.3: DISCO_P1.42@50.8,-10.16 49.725,-10.16 48.499,-8.934 48.499,6.716 51.831,10.048 51.831,39.131 53.34,40.64 P1_Chute.11@55.88,40.64
CT: DISCO_P1.22 P1_Chute.10 | length 95.8
  Top Layer w0.3: DISCO_P1.22@50.8,-35.56 48.26,-33.02 48.26,-12.954 47.259,-11.953 47.259,7.242 50.591,10.574 50.591,42.971 52.07,44.45 56.515,44.45 57.277,43.688 57.277,38.481 56.896,38.1 P1_Chute.10@55.88,38.1
DA: CON_DRIBLE.2 DRIBLE-MOTOR.2
DAH: DISCO_P1.39 DRIBLE-MC.0 | length 92.4
  Top Layer w0.3: DRIBLE-MC.0@-10.414,-10.16 -6.096,-10.16 -4.826,-8.89 -4.826,-4.826 -1.27,-1.27 3.81,-1.27 29.21,-26.67 v1(30.48,-26.67)
  Bottom Layer w0.3: v1(30.48,-26.67) 31.496,-27.686 43.997,-27.686 45.982,-25.701 45.982,-16.375 48.387,-13.97 52.07,-13.97 DISCO_P1.39@53.34,-12.7
DB: CON_DRIBLE.1 DRIBLE-MOTOR.3
GND: 06x01_Conector_Male_M0.4 06x01_Conector_Male_M1.4 06x01_Conector_Male_M2.4 06x01_Conector_Male_M3.4 BAT.1 C2.1 C2_INA1.2 C2_INA2.2 C2_INA3.2 C2_INA4.2 C2_INAD.2 C3.1 C4.1 CD.2 CM1_M0.2 CM1_M1.2 CM1_M2.2 CM1_M3.2 DISCO_P1.1 DISCO_P1.2 DISCO_P1.5 DISCO_P1.23 DISCO_P1.49 DISCO_P1.50 DISCO_P2.1 DISCO_P2.2 DISCO_P2.49 DISCO_P2.50 DRIBLE-MC.1 DRIBLE-MOTOR.0 IC1.1 IC1_INA1.1 IC1_INA1.2 IC1_INA1.7 IC1_INA2.1 IC1_INA2.7 IC1_INA3.7 IC1_INA4.7 IC1_INAD.1 IC1_INAD.7 LD1117.1 LED1.1 LED2.1 M0-MOTOR.3 M1-MOTOR.3 M2-MOTOR.3 M3-MOTOR.3 MC_C1.1 MC_C2.1 MC_C3.2 MC_C4.1 MC_C5.1 NRF24.3 NRF_C1.2 P1_Chute.1 P1_Chute.2 P1_Chute.3 P1_Chute.4 P1_Chute.5 P1_Chute.6 P1_Chute.7 P1_Chute.8 P1_Chute.9 P2_Chute.7 P2_Chute.8 P2_Chute.9 P2_Chute.10 P2_Chute.11 P2_Chute.12 R2.1 R4.1 SEN1.1 SEN2.1 SW?.1 SW?.2 SW?.3 | length 29.7
  Top Layer w0.3: -22.733,-41.529 -22.674,-41.47 IC1_INA2.1@-21.987,-41.47 ; -22.479,-16.129 -22.441,-16.091 IC1_INAD.1@-21.828,-16.091 ; IC1_INA1.1@-21.963,-59.25 IC1_INA1.2@-21.463,-59.25 -21.463,-57.658 ; v2(-21.844,-34.163) -21.496,-34.163 C2_INA2.2@-20.593,-35.066 -20.487,-35.171 IC1_INA2.7@-20.487,-37.27 ; C2_INA1.2@-20.593,-52.846 -20.463,-52.976 IC1_INA1.7@-20.463,-55.05 -20.463,-56.88 -20.32,-57.023 ; C2_INAD.2@-20.466,-9.687 -20.328,-9.825 IC1_INAD.7@-20.328,-11.891 -20.328,-13.2 -20.066,-13.462 ; 36.576,-58.928 39.624,-58.928 41.021,-60.325 R2.1@41.021,-62.542 ; 73.827,-32.258 IC1_INA3.7@73.827,-33.85 73.827,-35.949 C2_INA3.2@73.933,-36.054 ; IC1_INA4.7@73.827,-16.07 73.827,-18.169 C2_INA4.2@73.933,-18.274 74.447,-18.788
  other v1: -14.419,-96.477 -6.419,-96.477 1.581,-96.477 9.581,-96.477 17.581,-96.477 25.581,-96.477 33.581,-96.477 41.581,-96.477 49.581,-96.477 57.581,-96.477 65.581,-96.477 -26.419,-88.477 -18.419,-88.477 -2.419,-88.477 5.581,-88.477 13.581,-88.477 21.581,-88.477 29.581,-88.477 45.581,-88.477 61.581,-88.477 69.581,-88.477 77.581,-88.477 -30.419,-80.477 -22.419,-80.477 57.581,-80.477 65.581,-80.477 73.581,-80.477 81.581,-80.477 89.581,-80.477 -42.419,-72.477 21.581,-72.477 29.581,-72.477 37.581,-72.477 45.581,-72.477 61.581,-72.477 69.581,-72.477 77.581,-72.477 85.581,-72.477 93.581,-72.477 -46.419,-64.477 -30.419,-64.477 17.581,-64.477 65.581,-64.477 81.581,-64.477 89.581,-64.477 97.581,-64.477 -50.419,-56.477 -2.419,-56.477 69.581,-56.477 77.581,-56.477 85.581,-56.477 93.581,-56.477 101.581,-56.477 -46.419,-48.477 -22.419,-48.477 9.581,-48.477 17.581,-48.477 25.581,-48.477 33.581,-48.477 41.581,-48.477 97.581,-48.477 105.581,-48.477 -50.419,-40.477 21.581,-40.477 29.581,-40.477 37.581,-40.477 45.581,-40.477 93.581,-40.477 101.581,-40.477 -54.419,-32.477 -46.419,-32.477 -30.419,-32.477 17.581,-32.477 25.581,-32.477 41.581,-32.477 57.581,-32.477 97.581,-32.477 105.581,-32.477 72.644,-31.75 -42.419,-24.477 -10.419,-24.477 5.581,-24.477 13.581,-24.477 21.581,-24.477 29.581,-24.477 37.581,-24.477 109.581,-24.477 70.993,-18.669 -54.419,-16.477 -46.419,-16.477 -6.419,-16.477 1.581,-16.477 9.581,-16.477 25.581,-16.477 33.581,-16.477 41.581,-16.477 97.581,-16.477 105.581,-16.477 -50.419,-8.477 -42.419,-8.477 -34.419,-8.477 5.581,-8.477 13.581,-8.477 21.581,-8.477 29.581,-8.477 37.581,-8.477 45.581,-8.477 61.581,-8.477 77.581,-8.477 101.581,-8.477 -46.419,-0.477 -30.419,-0.477 -6.419,-0.477 9.581,-0.477 17.581,-0.477 25.581,-0.477 33.581,-0.477 41.581,-0.477 57.581,-0.477 97.581,-0.477 105.581,-0.477 -42.419,7.523 -34.419,7.523 -26.419,7.523 -10.419,7.523 -2.419,7.523 5.581,7.523 13.581,7.523 21.581,7.523 29.581,7.523 37.581,7.523 45.581,7.523 53.581,7.523 61.581,7.523 69.581,7.523 77.581,7.523 85.581,7.523 93.581,7.523 101.581,7.523 -38.419,15.523 -30.419,15.523 -22.419,15.523 -14.419,15.523 -6.419,15.523 1.581,15.523 9.581,15.523 17.581,15.523 25.581,15.523 33.581,15.523 41.581,15.523 57.581,15.523 65.581,15.523 73.581,15.523 81.581,15.523 89.581,15.523 97.581,15.523 -34.419,23.523 -26.419,23.523 -18.419,23.523 -10.419,23.523 5.581,23.523 13.581,23.523 21.581,23.523 29.581,23.523 37.581,23.523 45.581,23.523 53.581,23.523 61.581,23.523 69.581,23.523 77.581,23.523 85.581,23.523 -30.419,31.523 -22.419,31.523 -14.419,31.523 -6.419,31.523 1.581,31.523 9.581,31.523 17.581,31.523 25.581,31.523 33.581,31.523 41.581,31.523 57.581,31.523 65.581,31.523 73.581,31.523 81.581,31.523 -18.419,39.523 -10.419,39.523 5.581,39.523 13.581,39.523 21.581,39.523 29.581,39.523 37.581,39.523 45.581,39.523 61.581,39.523 69.581,39.523 77.581,39.523 1.581,47.523 9.581,47.523 17.581,47.523 25.581,47.523 33.581,47.523 41.581,47.523 49.581,47.523
I2C.SCL: DISCO_P2.19 IC1_INA1.5 IC1_INA2.5 IC1_INA3.5 IC1_INA4.5 IC1_INAD.2 IC1_INAD.5 MC_R1.1 | length 202.8
  Top Layer w0.3: IC1_INAD.2@-21.328,-16.091 -21.328,-14.597 -21.082,-14.351 -20.066,-14.351 -19.828,-14.589 IC1_INAD.5@-19.828,-16.091 -19.828,-17.637 v1(-19.431,-18.034) ; IC1_INA2.5@-19.987,-41.47 -19.558,-41.899 -19.582,-41.923 -19.558,-41.947 v2(-19.558,-43.942) -19.558,-44.529 ; IC1_INA1.5@-19.963,-59.25 -19.963,-61.317 v2(-19.939,-62.357) MC_R1.1@-19.939,-63.381 ; v2(-19.558,-47.752) -19.558,-44.577 ; v2(72.39,-27.821) 72.39,-28.713 IC1_INA3.5@73.327,-29.65 ; v2(72.39,-10.16) 72.39,-11.079 73.249,-11.938 IC1_INA4.5@73.317,-11.87
  Bottom Layer w0.3: v2(-19.939,-62.357) -19.558,-61.976 v2(-19.558,-47.752) -19.558,-47.625 -19.545,-47.612 -6.054,-47.612 -1.862,-43.42 -1.862,-39.849 -1.383,-39.37 1.27,-39.37 DISCO_P2.19@2.54,-38.1 3.81,-38.1 11.819,-30.091 45.085,-30.091 48.514,-26.662 48.514,-25.273 49.657,-24.13 54.864,-24.13 58.42,-20.574 58.42,-8.255 60.325,-6.35 71.247,-6.35 72.39,-7.493 v2(72.39,-10.16) v2(72.39,-27.821) ; v2(-19.558,-43.942) -19.558,-43.882 -19.582,-43.906 -19.685,-43.803 -19.685,-18.288 v1(-19.431,-18.034)
I2C.SDA: DISCO_P2.20 IC1_INA1.4 IC1_INA2.4 IC1_INA3.1 IC1_INA3.4 IC1_INA4.4 IC1_INAD.4 MC_R2.1 | length 205.8
  Top Layer w0.3: MC_R2.1@-21.59,-63.381 v2(-21.59,-62.23) -20.463,-61.103 IC1_INA1.4@-20.463,-59.25 ; v1(-20.828,-18.288) -20.828,-17.78 -20.328,-17.28 IC1_INAD.4@-20.328,-16.091 ; v2(-20.701,-47.244) -20.828,-47.117 -20.701,-46.99 v2(-20.701,-44.069) -20.701,-43.561 -20.487,-43.347 IC1_INA2.4@-20.487,-41.47 ; v2(73.66,-27.94) 73.827,-28.107 IC1_INA3.4@73.827,-29.65 73.827,-31.028 74.168,-31.369 74.93,-31.369 75.327,-30.972 IC1_INA3.1@75.327,-29.65 ; v2(73.66,-10.16) 73.827,-10.327 IC1_INA4.4@73.827,-11.87
  Bottom Layer w0.3: v2(-21.59,-62.23) -20.701,-61.341 v2(-20.701,-47.244) -20.701,-47.117 -20.596,-47.012 -19.879,-47.012 -19.869,-47.002 -19.247,-47.002 -19.237,-47.012 -6.303,-47.012 -2.707,-43.416 -2.707,-39.846 -0.961,-38.1 DISCO_P2.20@0,-38.1 1.27,-36.83 4.231,-36.83 11.57,-29.491 44.55,-29.491 47.625,-26.416 47.625,-22.987 49.022,-21.59 54.737,-21.59 57.531,-18.796 57.531,-7.747 59.563,-5.715 72.009,-5.715 73.66,-7.366 v2(73.66,-10.16) v2(73.66,-27.94) ; v1(-20.828,-18.288) -20.955,-18.415 -20.701,-18.669 v2(-20.701,-44.069)
M0_ENCA: 06x01_Conector_Male_M0.2 DISCO_P2.25 | length 63.8
  Bottom Layer w0.3: 06x01_Conector_Male_M0.2@-39.37,-53.34 -41.275,-51.435 -41.275,-49.784 -40.386,-48.895 -26.334,-48.895 -23.251,-45.812 -21.433,-45.812 -21.426,-45.819 -6.807,-45.819 -3.907,-42.919 -3.907,-31.653 -1.464,-29.21 1.27,-29.21 DISCO_P2.25@2.54,-30.48
M0_ENCB: 06x01_Conector_Male_M0.1 DISCO_P2.26 | length 54.9
  Bottom Layer w0.3: 06x01_Conector_Male_M0.1@-39.37,-50.8 -39.37,-49.911 -38.862,-49.403 -26.135,-49.403 -23.044,-46.312 -21.64,-46.312 -21.633,-46.319 -6.458,-46.319 -3.307,-43.168 -3.307,-31.902 -1.885,-30.48 DISCO_P2.26@0,-30.48
M0_MAH: DISCO_P2.46 M0-MC.0 | length 56.7
  Top Layer w0.3: M0-MC.0@-10.414,-53.34 -12.284,-51.47 -12.284,-34.215 -8.895,-30.826 -5.466,-30.826 -3.718,-29.078 -3.718,-7.909 -0.889,-5.08 DISCO_P2.46@0,-5.08